# Altium PCB PCB.PcbDoc (part 1 of 3)
Units mm, origin at the board's own origin, x right, y up, seen from the top; angles counter-clockwise.
Board outline 85 x 56 mm, 4 copper layers (L01_SIG/PWR, L02_GND, L03_SIG, L04_SIG/PWR), stack 1.586 mm thick; 279 components, 197 nets, 982 pads, 787 vias.
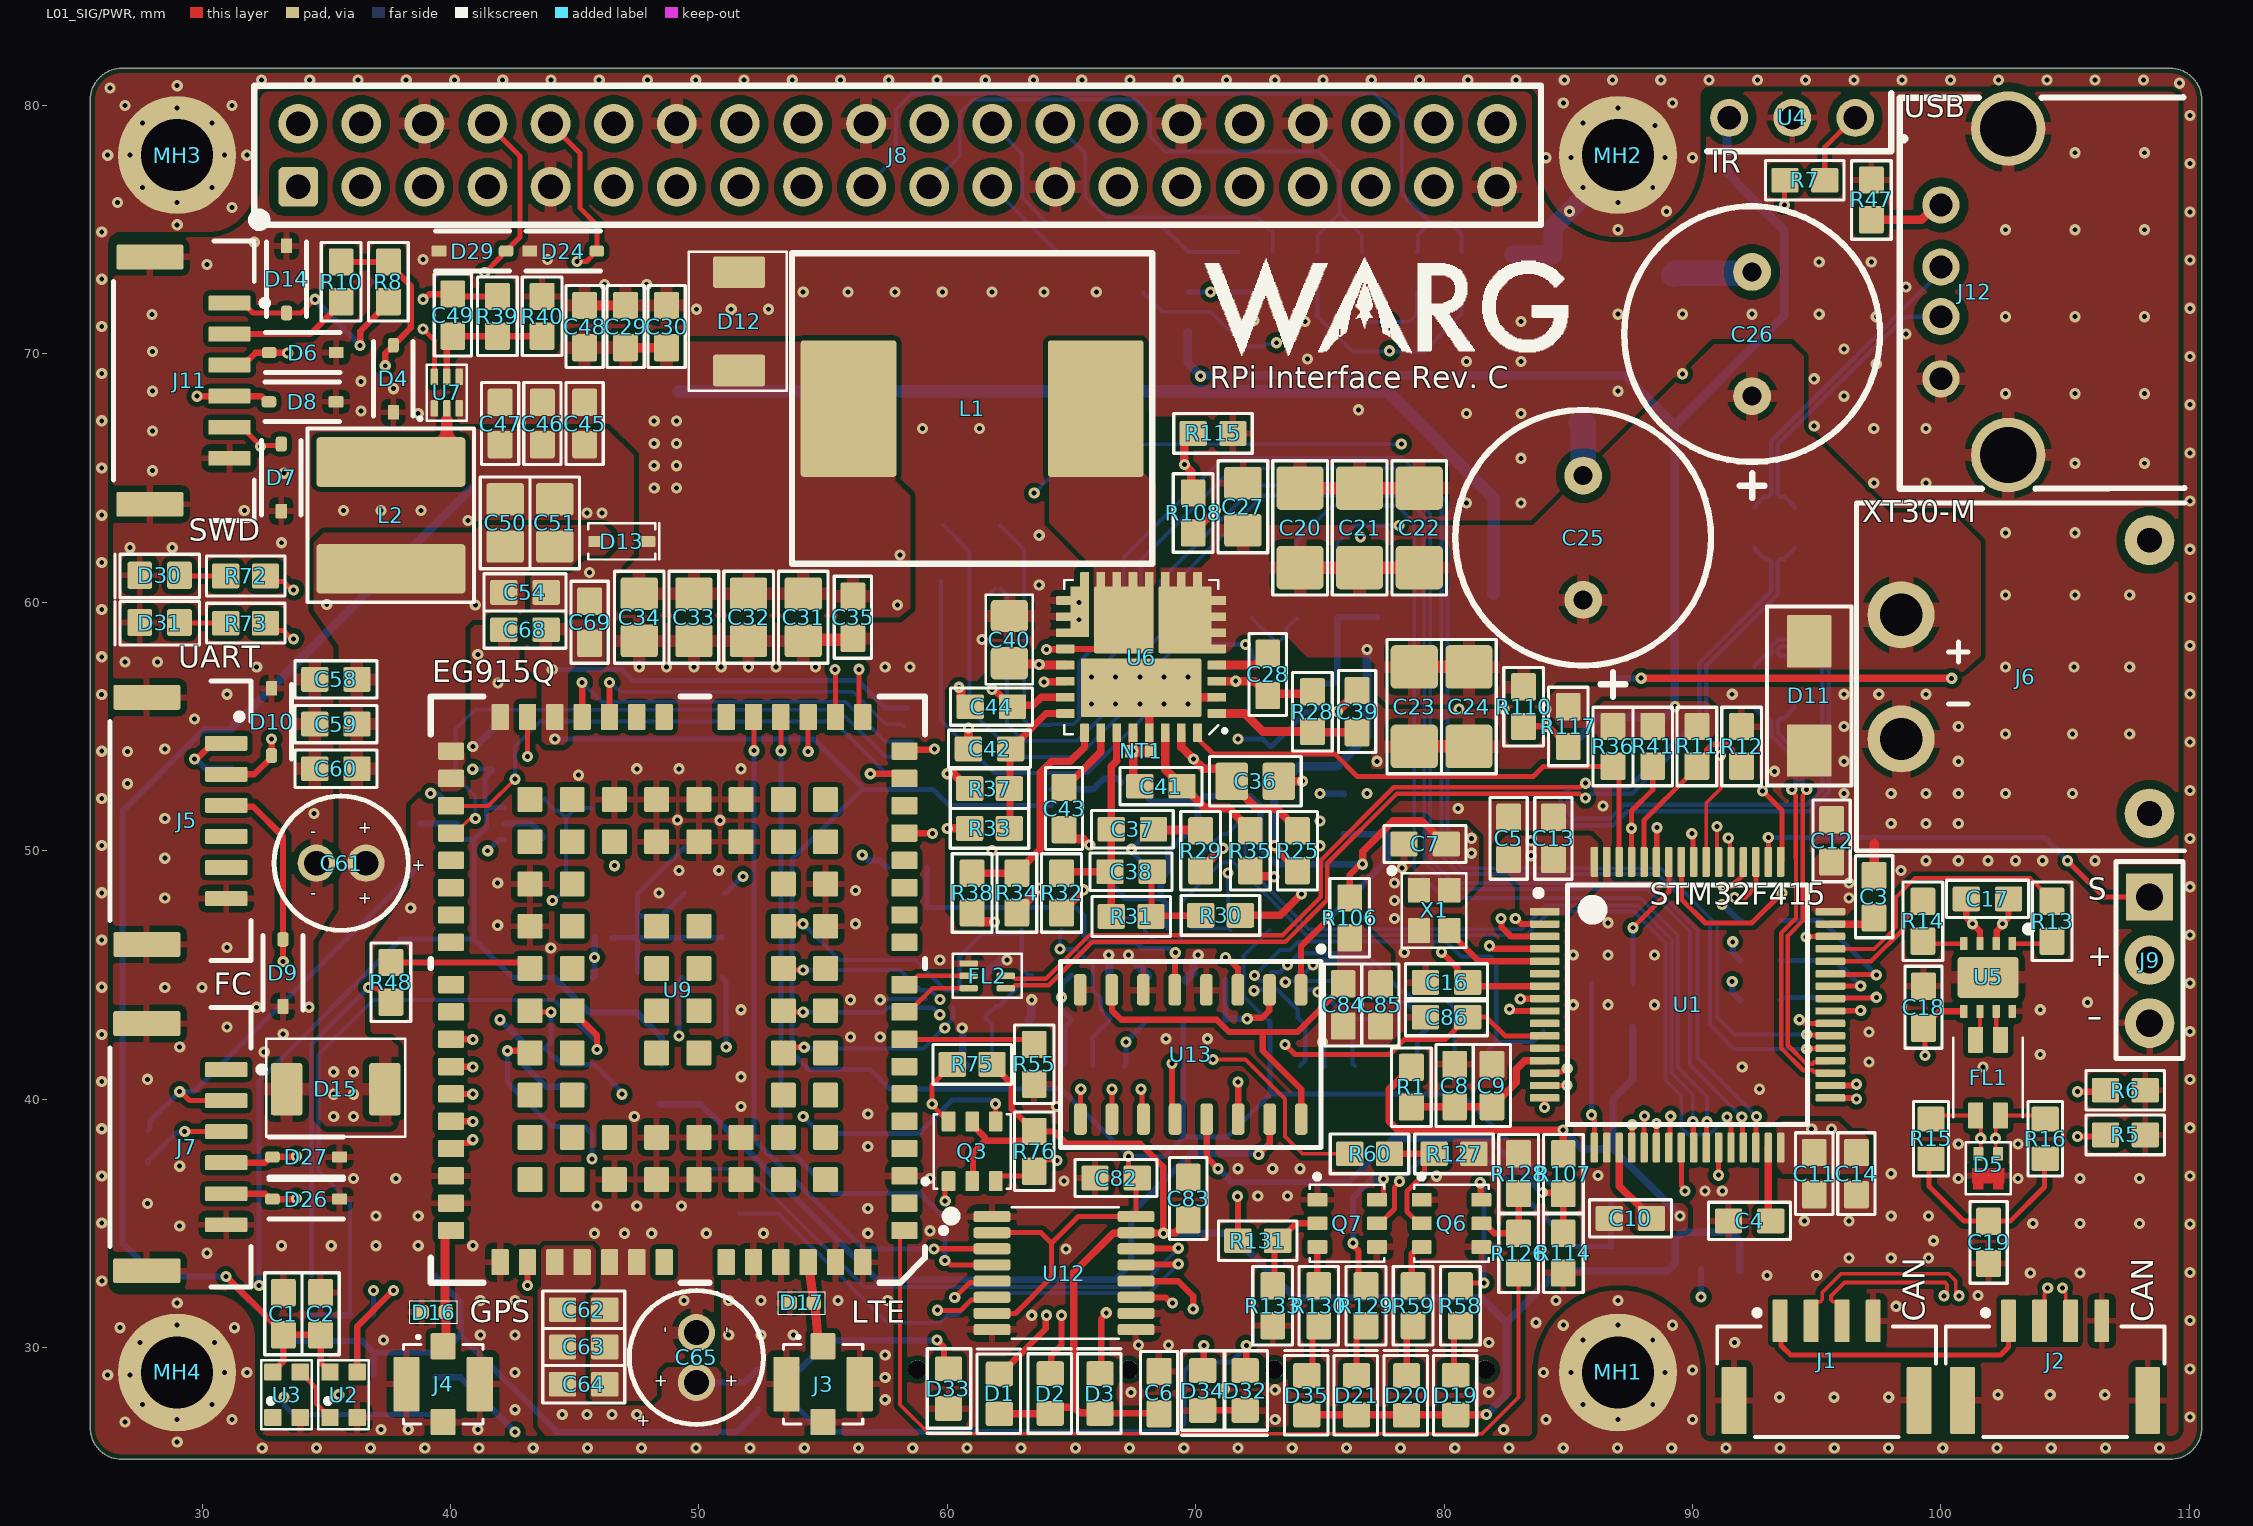
[diagram p0: L01_SIG/PWR view]
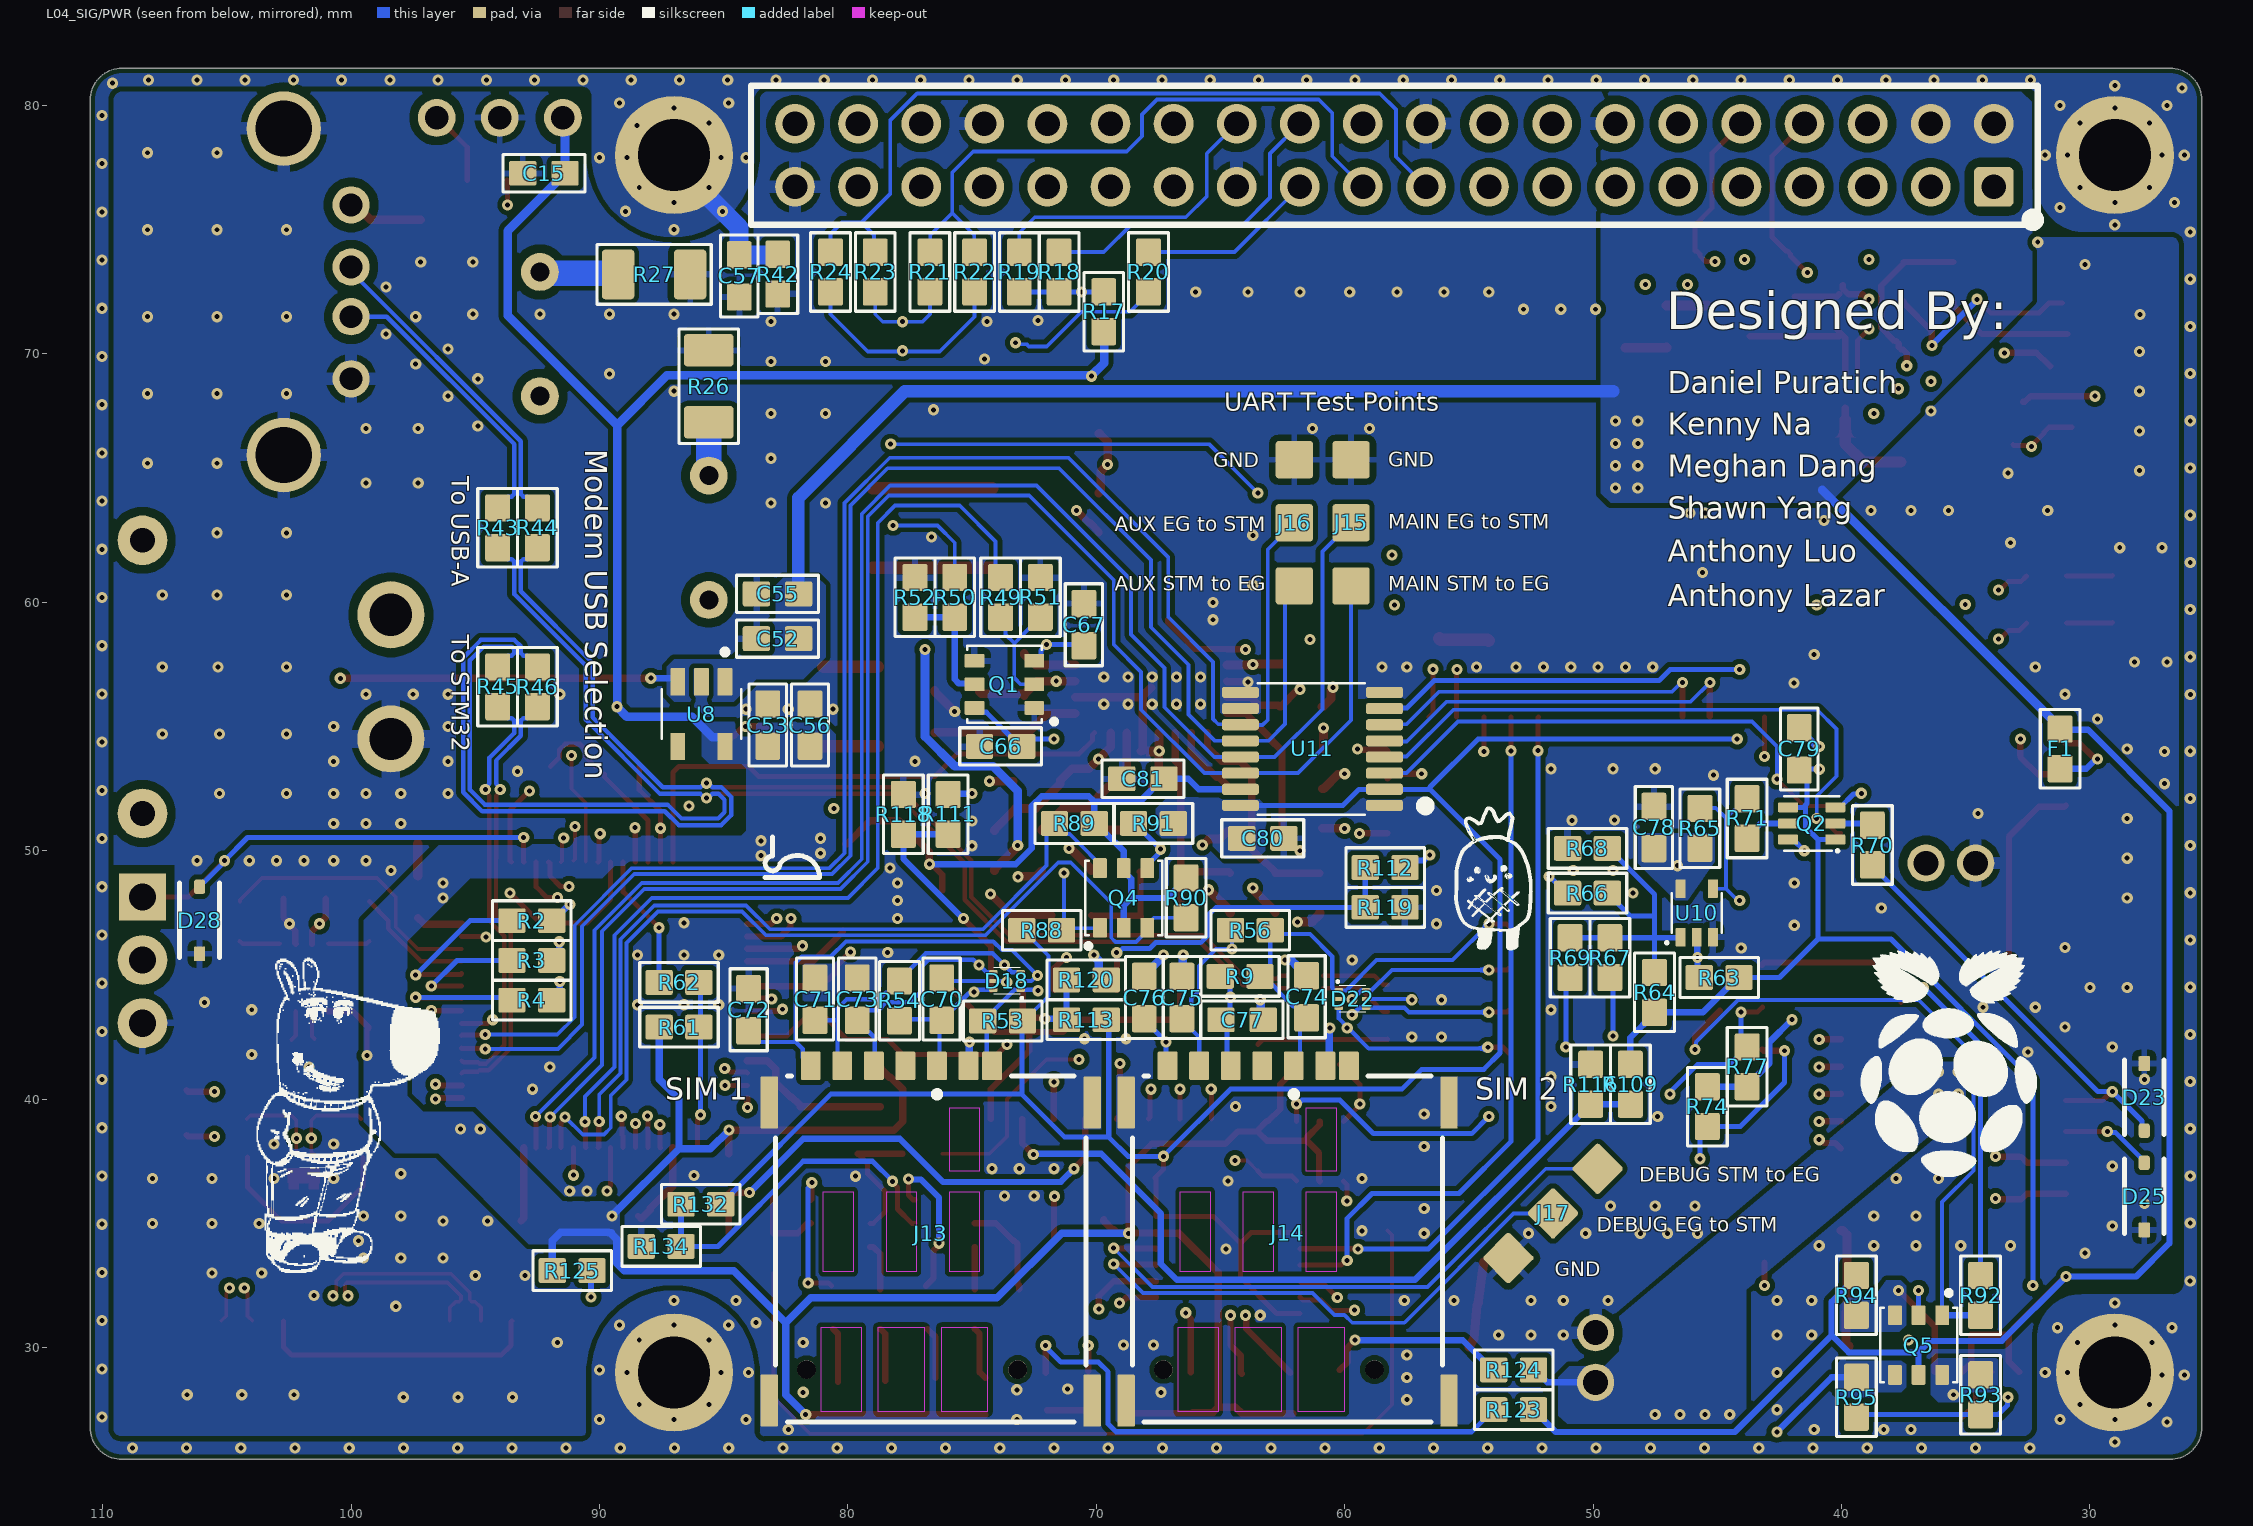
[diagram p1: L04_SIG/PWR view, seen from below]
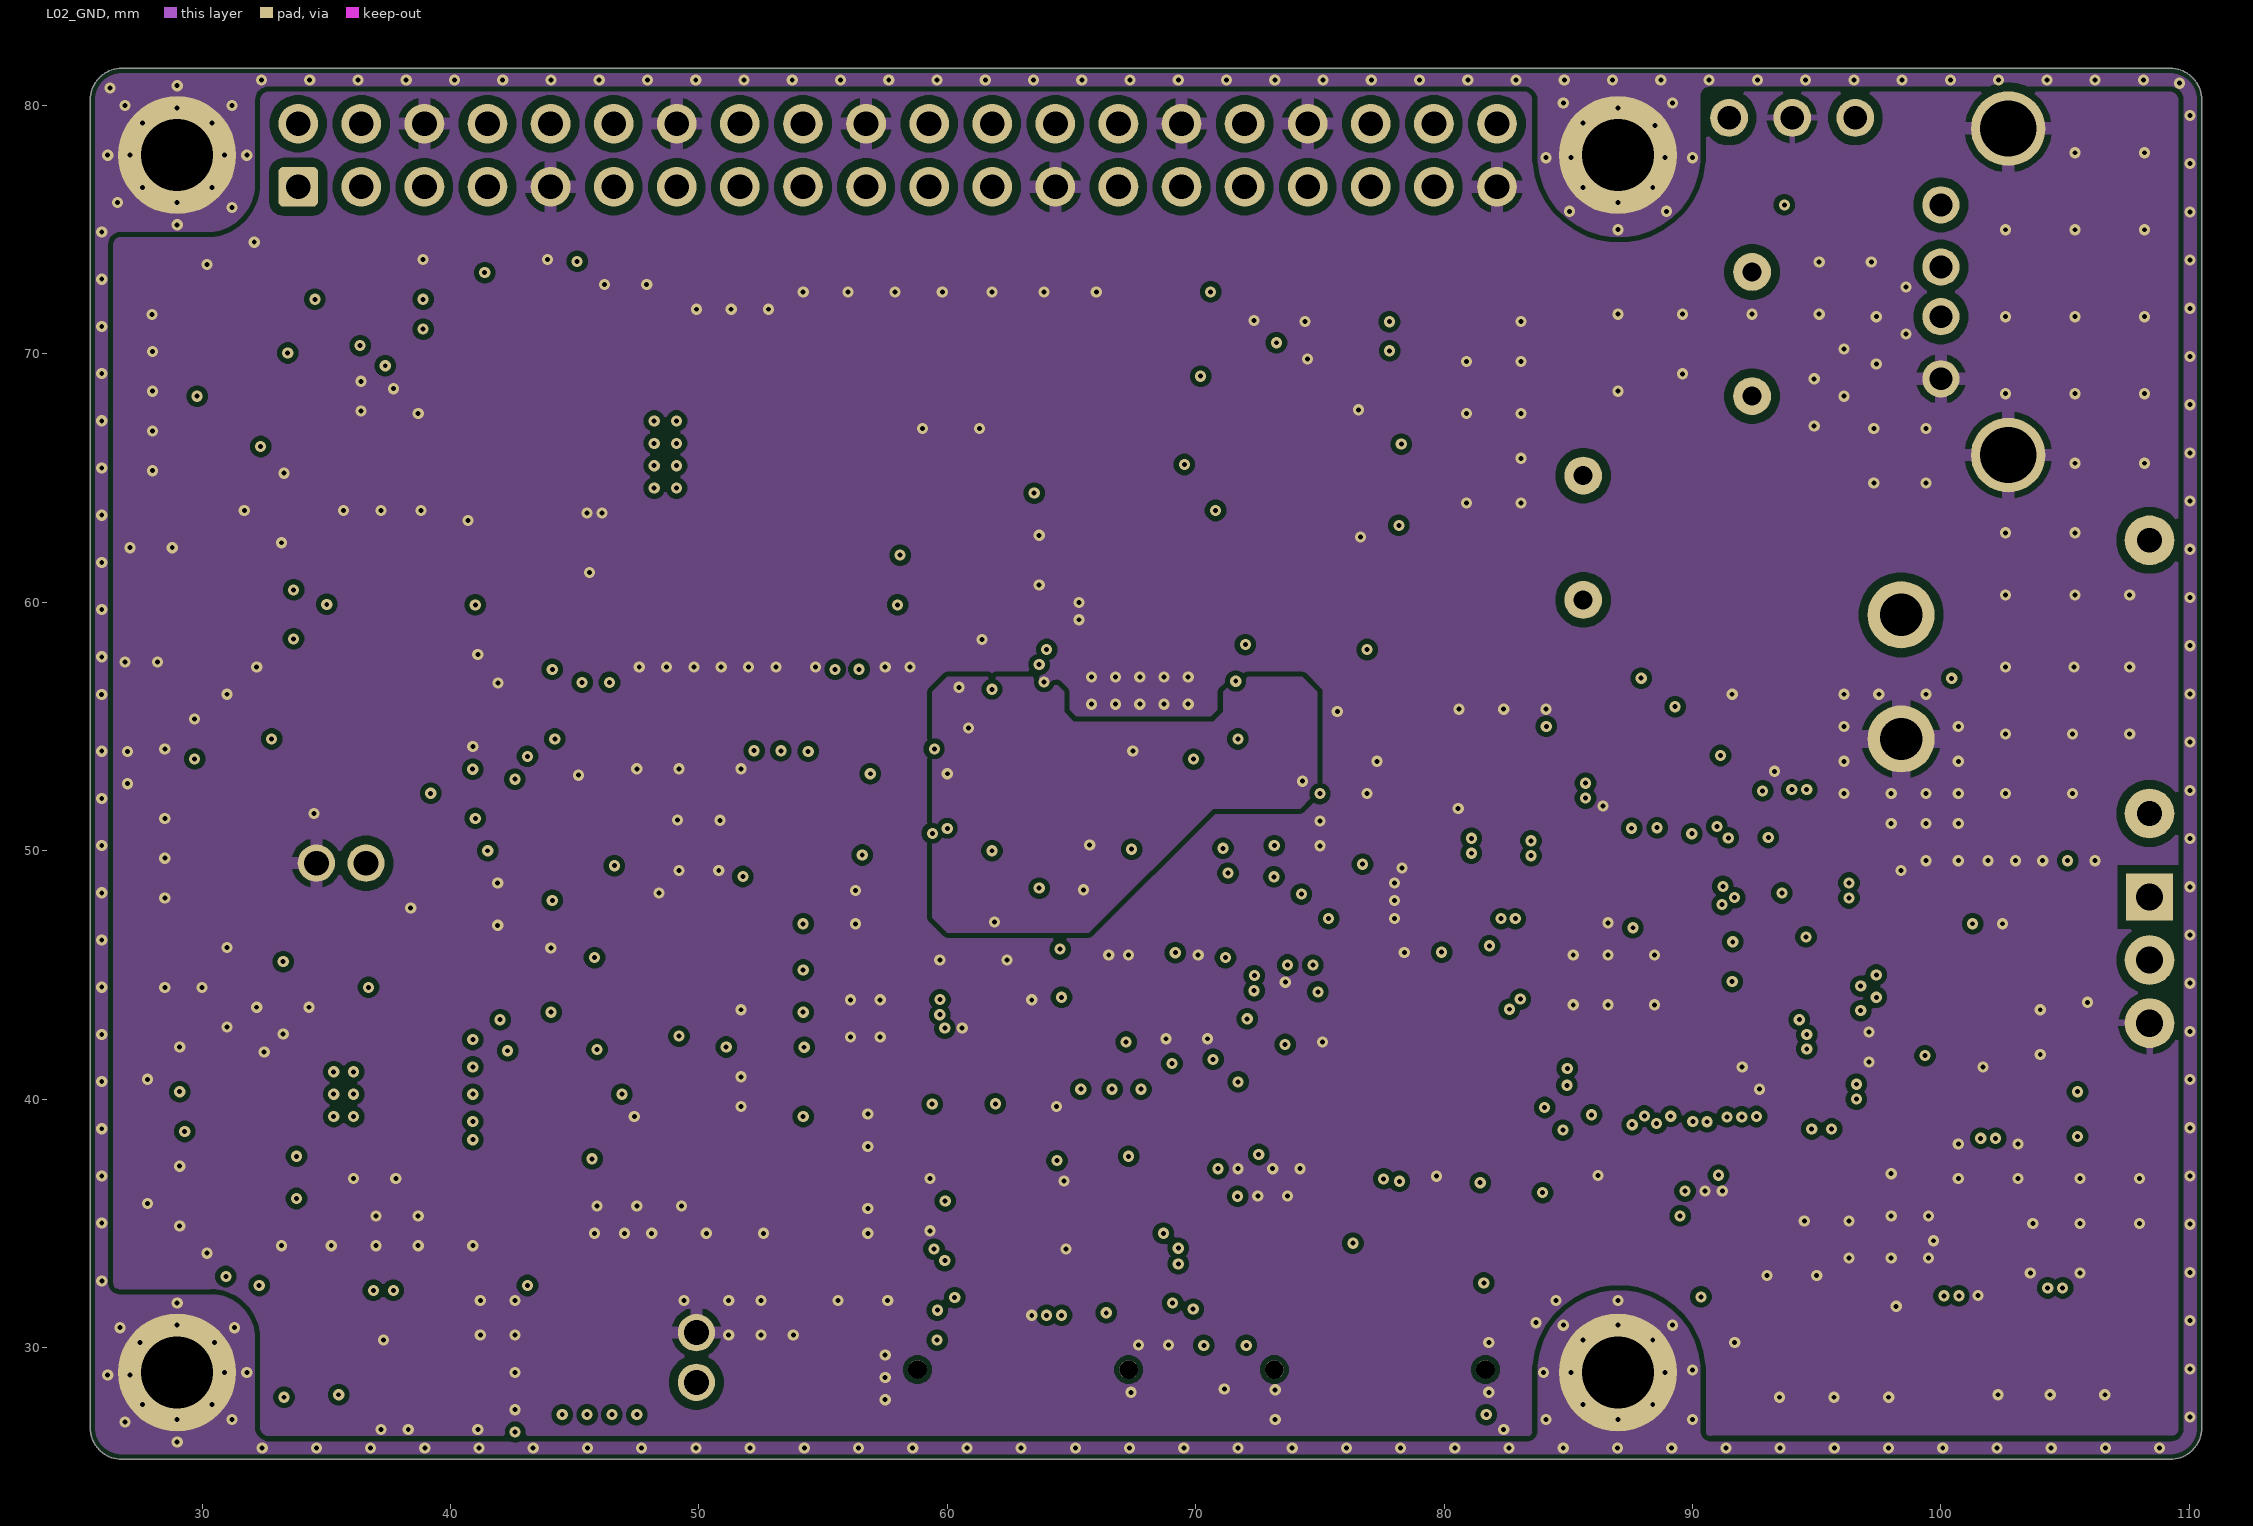
[diagram p2: L02_GND]